# KiCad board badge.kicad_pcb (continued)
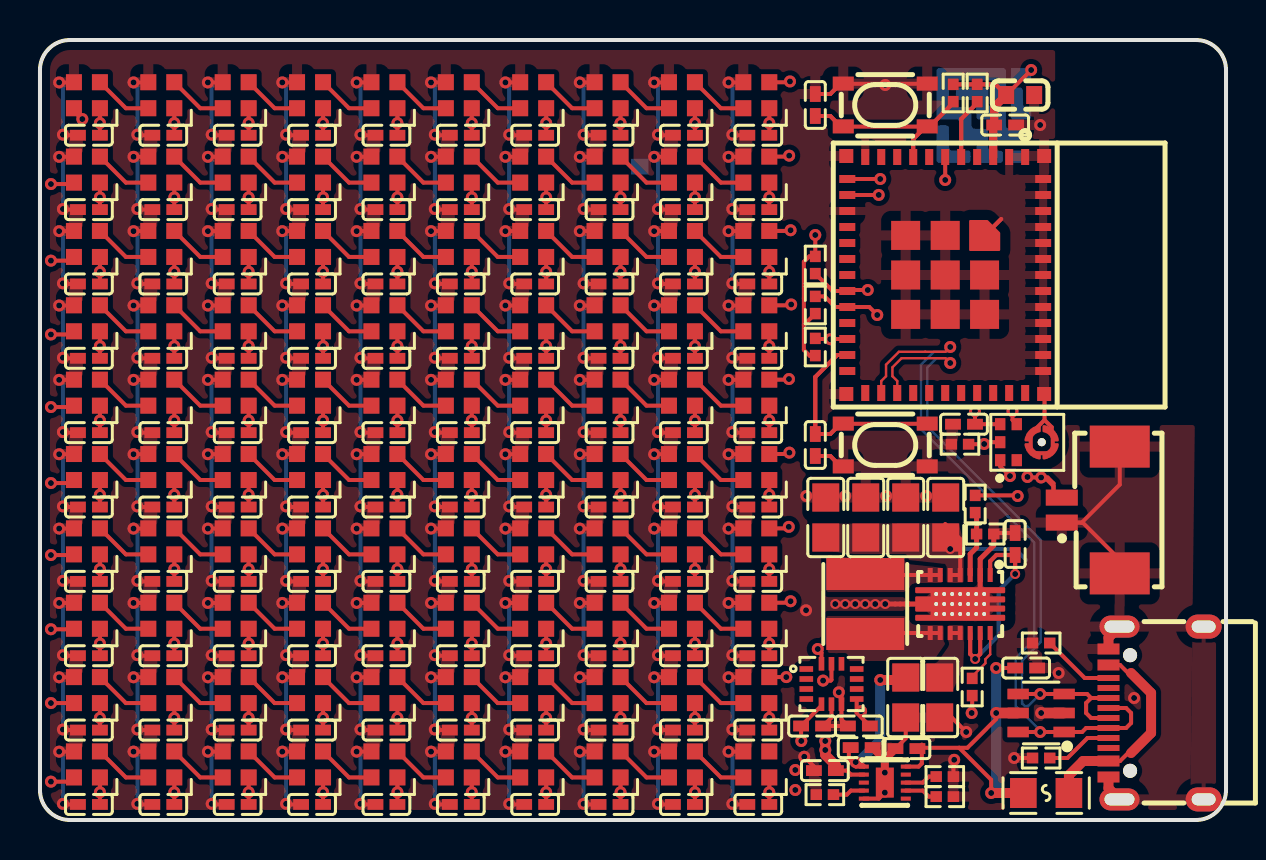
[diagram p0: board, top side]
## Library data of the parts (continued)
C8 = -: Datasheet: https://www.lcsc.com/datasheet/lcsc_datasheet_2304140030_Samsung-Electro-Mechanics-CL05B104KO5NNNC_C1525.pdf; checksum: dee2f3e8b3b5dcf7b72bbcb4e8c6e40185d754e15ce4224dccbc55d9ddeb3abe; __atopile_lib_fp_hash__: abd85f6b-95fa-ed5a-88fe-be39d3a76574; LCSC: C1525; Manufacturer: Samsung Electro-Mechanics; Partnumber: CL05B104KO5NNNC; PARAM_capacitance: {"type": "Quantity_Interval_Disjoint", "data": {"intervals": {"type": "Numeric_Interval_Disjoint", "data": {"intervals": [{"type": "Numeric_Interval", "data": {"min": 9e-08, "max": 1.1e-07}}]}}, "unit": "farad"}}; PARAM_max_voltage: {"type": "Quantity_Set_Discrete", "data": {"intervals": {"type": "Numeric_Interval_Disjoint", "data": {"intervals": [{"type": "Numeric_Interval", "data": {"min": 16.0, "max": 16.0}}]}}, "unit": "volt"}}; PARAM_temperature_coefficient: {"type": "EnumSet", "data": {"elements": [{"name": "X7R"}], "enum": {"name": "TemperatureCoefficient", "values": {"Y5V": 1, "Z5U": 2, "X7S": 3, "X5R": 4, "X6R": 5, "X7R": 6, "X8R": 7, "C0G": 8}}}}; atopile_address: led_grid.rows[0].leds[3].cap; atopile_subaddresses: [.ato/modules/atopile/addressable-leds/layouts/default/default.kicad_pcb:cap, layouts/grid100x100/grid100x100.kicad_pcb:rows[0].leds[3].cap, layouts/strip10/strip10.kicad_pcb:leds[3].cap]
C9 = -: Datasheet: https://www.lcsc.com/datasheet/lcsc_datasheet_2304140030_Samsung-Electro-Mechanics-CL05B104KO5NNNC_C1525.pdf; checksum: dee2f3e8b3b5dcf7b72bbcb4e8c6e40185d754e15ce4224dccbc55d9ddeb3abe; __atopile_lib_fp_hash__: abd85f6b-95fa-ed5a-88fe-be39d3a76574; LCSC: C1525; Manufacturer: Samsung Electro-Mechanics; Partnumber: CL05B104KO5NNNC; PARAM_capacitance: {"type": "Quantity_Interval_Disjoint", "data": {"intervals": {"type": "Numeric_Interval_Disjoint", "data": {"intervals": [{"type": "Numeric_Interval", "data": {"min": 9e-08, "max": 1.1e-07}}]}}, "unit": "farad"}}; PARAM_max_voltage: {"type": "Quantity_Set_Discrete", "data": {"intervals": {"type": "Numeric_Interval_Disjoint", "data": {"intervals": [{"type": "Numeric_Interval", "data": {"min": 16.0, "max": 16.0}}]}}, "unit": "volt"}}; PARAM_temperature_coefficient: {"type": "EnumSet", "data": {"elements": [{"name": "X7R"}], "enum": {"name": "TemperatureCoefficient", "values": {"Y5V": 1, "Z5U": 2, "X7S": 3, "X5R": 4, "X6R": 5, "X7R": 6, "X8R": 7, "C0G": 8}}}}; atopile_address: led_grid.rows[0].leds[4].cap; atopile_subaddresses: [.ato/modules/atopile/addressable-leds/layouts/default/default.kicad_pcb:cap, layouts/grid100x100/grid100x100.kicad_pcb:rows[0].leds[4].cap, layouts/strip10/strip10.kicad_pcb:leds[4].cap]
C10 = -: Datasheet: https://www.lcsc.com/datasheet/lcsc_datasheet_2304140030_Samsung-Electro-Mechanics-CL05B104KO5NNNC_C1525.pdf; checksum: dee2f3e8b3b5dcf7b72bbcb4e8c6e40185d754e15ce4224dccbc55d9ddeb3abe; __atopile_lib_fp_hash__: abd85f6b-95fa-ed5a-88fe-be39d3a76574; LCSC: C1525; Manufacturer: Samsung Electro-Mechanics; Partnumber: CL05B104KO5NNNC; PARAM_capacitance: {"type": "Quantity_Interval_Disjoint", "data": {"intervals": {"type": "Numeric_Interval_Disjoint", "data": {"intervals": [{"type": "Numeric_Interval", "data": {"min": 9e-08, "max": 1.1e-07}}]}}, "unit": "farad"}}; PARAM_max_voltage: {"type": "Quantity_Set_Discrete", "data": {"intervals": {"type": "Numeric_Interval_Disjoint", "data": {"intervals": [{"type": "Numeric_Interval", "data": {"min": 16.0, "max": 16.0}}]}}, "unit": "volt"}}; PARAM_temperature_coefficient: {"type": "EnumSet", "data": {"elements": [{"name": "X7R"}], "enum": {"name": "TemperatureCoefficient", "values": {"Y5V": 1, "Z5U": 2, "X7S": 3, "X5R": 4, "X6R": 5, "X7R": 6, "X8R": 7, "C0G": 8}}}}; atopile_address: led_grid.rows[0].leds[5].cap; atopile_subaddresses: [.ato/modules/atopile/addressable-leds/layouts/default/default.kicad_pcb:cap, layouts/grid100x100/grid100x100.kicad_pcb:rows[0].leds[5].cap, layouts/strip10/strip10.kicad_pcb:leds[5].cap]
C11 = -: Datasheet: https://www.lcsc.com/datasheet/lcsc_datasheet_2304140030_Samsung-Electro-Mechanics-CL05B104KO5NNNC_C1525.pdf; checksum: dee2f3e8b3b5dcf7b72bbcb4e8c6e40185d754e15ce4224dccbc55d9ddeb3abe; __atopile_lib_fp_hash__: abd85f6b-95fa-ed5a-88fe-be39d3a76574; LCSC: C1525; Manufacturer: Samsung Electro-Mechanics; Partnumber: CL05B104KO5NNNC; PARAM_capacitance: {"type": "Quantity_Interval_Disjoint", "data": {"intervals": {"type": "Numeric_Interval_Disjoint", "data": {"intervals": [{"type": "Numeric_Interval", "data": {"min": 9e-08, "max": 1.1e-07}}]}}, "unit": "farad"}}; PARAM_max_voltage: {"type": "Quantity_Set_Discrete", "data": {"intervals": {"type": "Numeric_Interval_Disjoint", "data": {"intervals": [{"type": "Numeric_Interval", "data": {"min": 16.0, "max": 16.0}}]}}, "unit": "volt"}}; PARAM_temperature_coefficient: {"type": "EnumSet", "data": {"elements": [{"name": "X7R"}], "enum": {"name": "TemperatureCoefficient", "values": {"Y5V": 1, "Z5U": 2, "X7S": 3, "X5R": 4, "X6R": 5, "X7R": 6, "X8R": 7, "C0G": 8}}}}; atopile_address: led_grid.rows[0].leds[6].cap; atopile_subaddresses: [.ato/modules/atopile/addressable-leds/layouts/default/default.kicad_pcb:cap, layouts/grid100x100/grid100x100.kicad_pcb:rows[0].leds[6].cap, layouts/strip10/strip10.kicad_pcb:leds[6].cap]
C12 = -: Datasheet: https://www.lcsc.com/datasheet/lcsc_datasheet_2304140030_Samsung-Electro-Mechanics-CL05B104KO5NNNC_C1525.pdf; checksum: dee2f3e8b3b5dcf7b72bbcb4e8c6e40185d754e15ce4224dccbc55d9ddeb3abe; __atopile_lib_fp_hash__: abd85f6b-95fa-ed5a-88fe-be39d3a76574; LCSC: C1525; Manufacturer: Samsung Electro-Mechanics; Partnumber: CL05B104KO5NNNC; PARAM_capacitance: {"type": "Quantity_Interval_Disjoint", "data": {"intervals": {"type": "Numeric_Interval_Disjoint", "data": {"intervals": [{"type": "Numeric_Interval", "data": {"min": 9e-08, "max": 1.1e-07}}]}}, "unit": "farad"}}; PARAM_max_voltage: {"type": "Quantity_Set_Discrete", "data": {"intervals": {"type": "Numeric_Interval_Disjoint", "data": {"intervals": [{"type": "Numeric_Interval", "data": {"min": 16.0, "max": 16.0}}]}}, "unit": "volt"}}; PARAM_temperature_coefficient: {"type": "EnumSet", "data": {"elements": [{"name": "X7R"}], "enum": {"name": "TemperatureCoefficient", "values": {"Y5V": 1, "Z5U": 2, "X7S": 3, "X5R": 4, "X6R": 5, "X7R": 6, "X8R": 7, "C0G": 8}}}}; atopile_address: led_grid.rows[0].leds[7].cap; atopile_subaddresses: [.ato/modules/atopile/addressable-leds/layouts/default/default.kicad_pcb:cap, layouts/grid100x100/grid100x100.kicad_pcb:rows[0].leds[7].cap, layouts/strip10/strip10.kicad_pcb:leds[7].cap]
C13 = -: Datasheet: https://www.lcsc.com/datasheet/lcsc_datasheet_2304140030_Samsung-Electro-Mechanics-CL05B104KO5NNNC_C1525.pdf; checksum: dee2f3e8b3b5dcf7b72bbcb4e8c6e40185d754e15ce4224dccbc55d9ddeb3abe; __atopile_lib_fp_hash__: abd85f6b-95fa-ed5a-88fe-be39d3a76574; LCSC: C1525; Manufacturer: Samsung Electro-Mechanics; Partnumber: CL05B104KO5NNNC; PARAM_capacitance: {"type": "Quantity_Interval_Disjoint", "data": {"intervals": {"type": "Numeric_Interval_Disjoint", "data": {"intervals": [{"type": "Numeric_Interval", "data": {"min": 9e-08, "max": 1.1e-07}}]}}, "unit": "farad"}}; PARAM_max_voltage: {"type": "Quantity_Set_Discrete", "data": {"intervals": {"type": "Numeric_Interval_Disjoint", "data": {"intervals": [{"type": "Numeric_Interval", "data": {"min": 16.0, "max": 16.0}}]}}, "unit": "volt"}}; PARAM_temperature_coefficient: {"type": "EnumSet", "data": {"elements": [{"name": "X7R"}], "enum": {"name": "TemperatureCoefficient", "values": {"Y5V": 1, "Z5U": 2, "X7S": 3, "X5R": 4, "X6R": 5, "X7R": 6, "X8R": 7, "C0G": 8}}}}; atopile_address: led_grid.rows[0].leds[8].cap; atopile_subaddresses: [.ato/modules/atopile/addressable-leds/layouts/default/default.kicad_pcb:cap, layouts/grid100x100/grid100x100.kicad_pcb:rows[0].leds[8].cap, layouts/strip10/strip10.kicad_pcb:leds[8].cap]
C14 = -: Datasheet: https://www.lcsc.com/datasheet/lcsc_datasheet_2304140030_Samsung-Electro-Mechanics-CL05B104KO5NNNC_C1525.pdf; checksum: dee2f3e8b3b5dcf7b72bbcb4e8c6e40185d754e15ce4224dccbc55d9ddeb3abe; __atopile_lib_fp_hash__: abd85f6b-95fa-ed5a-88fe-be39d3a76574; LCSC: C1525; Manufacturer: Samsung Electro-Mechanics; Partnumber: CL05B104KO5NNNC; PARAM_capacitance: {"type": "Quantity_Interval_Disjoint", "data": {"intervals": {"type": "Numeric_Interval_Disjoint", "data": {"intervals": [{"type": "Numeric_Interval", "data": {"min": 9e-08, "max": 1.1e-07}}]}}, "unit": "farad"}}; PARAM_max_voltage: {"type": "Quantity_Set_Discrete", "data": {"intervals": {"type": "Numeric_Interval_Disjoint", "data": {"intervals": [{"type": "Numeric_Interval", "data": {"min": 16.0, "max": 16.0}}]}}, "unit": "volt"}}; PARAM_temperature_coefficient: {"type": "EnumSet", "data": {"elements": [{"name": "X7R"}], "enum": {"name": "TemperatureCoefficient", "values": {"Y5V": 1, "Z5U": 2, "X7S": 3, "X5R": 4, "X6R": 5, "X7R": 6, "X8R": 7, "C0G": 8}}}}; atopile_address: led_grid.rows[0].leds[9].cap; atopile_subaddresses: [.ato/modules/atopile/addressable-leds/layouts/default/default.kicad_pcb:cap, layouts/grid100x100/grid100x100.kicad_pcb:rows[0].leds[9].cap, layouts/strip10/strip10.kicad_pcb:leds[9].cap]
C15 = -: Datasheet: https://www.lcsc.com/datasheet/lcsc_datasheet_2304140030_Samsung-Electro-Mechanics-CL05B104KO5NNNC_C1525.pdf; checksum: dee2f3e8b3b5dcf7b72bbcb4e8c6e40185d754e15ce4224dccbc55d9ddeb3abe; __atopile_lib_fp_hash__: abd85f6b-95fa-ed5a-88fe-be39d3a76574; LCSC: C1525; Manufacturer: Samsung Electro-Mechanics; Partnumber: CL05B104KO5NNNC; PARAM_capacitance: {"type": "Quantity_Interval_Disjoint", "data": {"intervals": {"type": "Numeric_Interval_Disjoint", "data": {"intervals": [{"type": "Numeric_Interval", "data": {"min": 9e-08, "max": 1.1e-07}}]}}, "unit": "farad"}}; PARAM_max_voltage: {"type": "Quantity_Set_Discrete", "data": {"intervals": {"type": "Numeric_Interval_Disjoint", "data": {"intervals": [{"type": "Numeric_Interval", "data": {"min": 16.0, "max": 16.0}}]}}, "unit": "volt"}}; PARAM_temperature_coefficient: {"type": "EnumSet", "data": {"elements": [{"name": "X7R"}], "enum": {"name": "TemperatureCoefficient", "values": {"Y5V": 1, "Z5U": 2, "X7S": 3, "X5R": 4, "X6R": 5, "X7R": 6, "X8R": 7, "C0G": 8}}}}; atopile_address: led_grid.rows[1].leds[0].cap; atopile_subaddresses: [.ato/modules/atopile/addressable-leds/layouts/default/default.kicad_pcb:cap, layouts/grid100x100/grid100x100.kicad_pcb:rows[1].leds[0].cap, layouts/strip10/strip10.kicad_pcb:leds[0].cap]
C16 = -: Datasheet: https://www.lcsc.com/datasheet/lcsc_datasheet_2304140030_Samsung-Electro-Mechanics-CL05B104KO5NNNC_C1525.pdf; checksum: dee2f3e8b3b5dcf7b72bbcb4e8c6e40185d754e15ce4224dccbc55d9ddeb3abe; __atopile_lib_fp_hash__: abd85f6b-95fa-ed5a-88fe-be39d3a76574; LCSC: C1525; Manufacturer: Samsung Electro-Mechanics; Partnumber: CL05B104KO5NNNC; PARAM_capacitance: {"type": "Quantity_Interval_Disjoint", "data": {"intervals": {"type": "Numeric_Interval_Disjoint", "data": {"intervals": [{"type": "Numeric_Interval", "data": {"min": 9e-08, "max": 1.1e-07}}]}}, "unit": "farad"}}; PARAM_max_voltage: {"type": "Quantity_Set_Discrete", "data": {"intervals": {"type": "Numeric_Interval_Disjoint", "data": {"intervals": [{"type": "Numeric_Interval", "data": {"min": 16.0, "max": 16.0}}]}}, "unit": "volt"}}; PARAM_temperature_coefficient: {"type": "EnumSet", "data": {"elements": [{"name": "X7R"}], "enum": {"name": "TemperatureCoefficient", "values": {"Y5V": 1, "Z5U": 2, "X7S": 3, "X5R": 4, "X6R": 5, "X7R": 6, "X8R": 7, "C0G": 8}}}}; atopile_address: led_grid.rows[1].leds[1].cap; atopile_subaddresses: [.ato/modules/atopile/addressable-leds/layouts/default/default.kicad_pcb:cap, layouts/grid100x100/grid100x100.kicad_pcb:rows[1].leds[1].cap, layouts/strip10/strip10.kicad_pcb:leds[1].cap]
C17 = -: Datasheet: https://www.lcsc.com/datasheet/lcsc_datasheet_2304140030_Samsung-Electro-Mechanics-CL05B104KO5NNNC_C1525.pdf; checksum: dee2f3e8b3b5dcf7b72bbcb4e8c6e40185d754e15ce4224dccbc55d9ddeb3abe; __atopile_lib_fp_hash__: abd85f6b-95fa-ed5a-88fe-be39d3a76574; LCSC: C1525; Manufacturer: Samsung Electro-Mechanics; Partnumber: CL05B104KO5NNNC; PARAM_capacitance: {"type": "Quantity_Interval_Disjoint", "data": {"intervals": {"type": "Numeric_Interval_Disjoint", "data": {"intervals": [{"type": "Numeric_Interval", "data": {"min": 9e-08, "max": 1.1e-07}}]}}, "unit": "farad"}}; PARAM_max_voltage: {"type": "Quantity_Set_Discrete", "data": {"intervals": {"type": "Numeric_Interval_Disjoint", "data": {"intervals": [{"type": "Numeric_Interval", "data": {"min": 16.0, "max": 16.0}}]}}, "unit": "volt"}}; PARAM_temperature_coefficient: {"type": "EnumSet", "data": {"elements": [{"name": "X7R"}], "enum": {"name": "TemperatureCoefficient", "values": {"Y5V": 1, "Z5U": 2, "X7S": 3, "X5R": 4, "X6R": 5, "X7R": 6, "X8R": 7, "C0G": 8}}}}; atopile_address: led_grid.rows[1].leds[2].cap; atopile_subaddresses: [.ato/modules/atopile/addressable-leds/layouts/default/default.kicad_pcb:cap, layouts/grid100x100/grid100x100.kicad_pcb:rows[1].leds[2].cap, layouts/strip10/strip10.kicad_pcb:leds[2].cap]
C18 = -: Datasheet: https://www.lcsc.com/datasheet/lcsc_datasheet_2304140030_Samsung-Electro-Mechanics-CL05B104KO5NNNC_C1525.pdf; checksum: dee2f3e8b3b5dcf7b72bbcb4e8c6e40185d754e15ce4224dccbc55d9ddeb3abe; __atopile_lib_fp_hash__: abd85f6b-95fa-ed5a-88fe-be39d3a76574; LCSC: C1525; Manufacturer: Samsung Electro-Mechanics; Partnumber: CL05B104KO5NNNC; PARAM_capacitance: {"type": "Quantity_Interval_Disjoint", "data": {"intervals": {"type": "Numeric_Interval_Disjoint", "data": {"intervals": [{"type": "Numeric_Interval", "data": {"min": 9e-08, "max": 1.1e-07}}]}}, "unit": "farad"}}; PARAM_max_voltage: {"type": "Quantity_Set_Discrete", "data": {"intervals": {"type": "Numeric_Interval_Disjoint", "data": {"intervals": [{"type": "Numeric_Interval", "data": {"min": 16.0, "max": 16.0}}]}}, "unit": "volt"}}; PARAM_temperature_coefficient: {"type": "EnumSet", "data": {"elements": [{"name": "X7R"}], "enum": {"name": "TemperatureCoefficient", "values": {"Y5V": 1, "Z5U": 2, "X7S": 3, "X5R": 4, "X6R": 5, "X7R": 6, "X8R": 7, "C0G": 8}}}}; atopile_address: led_grid.rows[1].leds[3].cap; atopile_subaddresses: [.ato/modules/atopile/addressable-leds/layouts/default/default.kicad_pcb:cap, layouts/grid100x100/grid100x100.kicad_pcb:rows[1].leds[3].cap, layouts/strip10/strip10.kicad_pcb:leds[3].cap]
C19 = -: Datasheet: https://www.lcsc.com/datasheet/lcsc_datasheet_2304140030_Samsung-Electro-Mechanics-CL05B104KO5NNNC_C1525.pdf; checksum: dee2f3e8b3b5dcf7b72bbcb4e8c6e40185d754e15ce4224dccbc55d9ddeb3abe; __atopile_lib_fp_hash__: abd85f6b-95fa-ed5a-88fe-be39d3a76574; LCSC: C1525; Manufacturer: Samsung Electro-Mechanics; Partnumber: CL05B104KO5NNNC; PARAM_capacitance: {"type": "Quantity_Interval_Disjoint", "data": {"intervals": {"type": "Numeric_Interval_Disjoint", "data": {"intervals": [{"type": "Numeric_Interval", "data": {"min": 9e-08, "max": 1.1e-07}}]}}, "unit": "farad"}}; PARAM_max_voltage: {"type": "Quantity_Set_Discrete", "data": {"intervals": {"type": "Numeric_Interval_Disjoint", "data": {"intervals": [{"type": "Numeric_Interval", "data": {"min": 16.0, "max": 16.0}}]}}, "unit": "volt"}}; PARAM_temperature_coefficient: {"type": "EnumSet", "data": {"elements": [{"name": "X7R"}], "enum": {"name": "TemperatureCoefficient", "values": {"Y5V": 1, "Z5U": 2, "X7S": 3, "X5R": 4, "X6R": 5, "X7R": 6, "X8R": 7, "C0G": 8}}}}; atopile_address: led_grid.rows[1].leds[4].cap; atopile_subaddresses: [.ato/modules/atopile/addressable-leds/layouts/default/default.kicad_pcb:cap, layouts/grid100x100/grid100x100.kicad_pcb:rows[1].leds[4].cap, layouts/strip10/strip10.kicad_pcb:leds[4].cap]
C20 = -: Datasheet: https://www.lcsc.com/datasheet/lcsc_datasheet_2304140030_Samsung-Electro-Mechanics-CL05B104KO5NNNC_C1525.pdf; checksum: dee2f3e8b3b5dcf7b72bbcb4e8c6e40185d754e15ce4224dccbc55d9ddeb3abe; __atopile_lib_fp_hash__: abd85f6b-95fa-ed5a-88fe-be39d3a76574; LCSC: C1525; Manufacturer: Samsung Electro-Mechanics; Partnumber: CL05B104KO5NNNC; PARAM_capacitance: {"type": "Quantity_Interval_Disjoint", "data": {"intervals": {"type": "Numeric_Interval_Disjoint", "data": {"intervals": [{"type": "Numeric_Interval", "data": {"min": 9e-08, "max": 1.1e-07}}]}}, "unit": "farad"}}; PARAM_max_voltage: {"type": "Quantity_Set_Discrete", "data": {"intervals": {"type": "Numeric_Interval_Disjoint", "data": {"intervals": [{"type": "Numeric_Interval", "data": {"min": 16.0, "max": 16.0}}]}}, "unit": "volt"}}; PARAM_temperature_coefficient: {"type": "EnumSet", "data": {"elements": [{"name": "X7R"}], "enum": {"name": "TemperatureCoefficient", "values": {"Y5V": 1, "Z5U": 2, "X7S": 3, "X5R": 4, "X6R": 5, "X7R": 6, "X8R": 7, "C0G": 8}}}}; atopile_address: led_grid.rows[1].leds[5].cap; atopile_subaddresses: [.ato/modules/atopile/addressable-leds/layouts/default/default.kicad_pcb:cap, layouts/grid100x100/grid100x100.kicad_pcb:rows[1].leds[5].cap, layouts/strip10/strip10.kicad_pcb:leds[5].cap]
C21 = -: Datasheet: https://www.lcsc.com/datasheet/lcsc_datasheet_2304140030_Samsung-Electro-Mechanics-CL05B104KO5NNNC_C1525.pdf; checksum: dee2f3e8b3b5dcf7b72bbcb4e8c6e40185d754e15ce4224dccbc55d9ddeb3abe; __atopile_lib_fp_hash__: abd85f6b-95fa-ed5a-88fe-be39d3a76574; LCSC: C1525; Manufacturer: Samsung Electro-Mechanics; Partnumber: CL05B104KO5NNNC; PARAM_capacitance: {"type": "Quantity_Interval_Disjoint", "data": {"intervals": {"type": "Numeric_Interval_Disjoint", "data": {"intervals": [{"type": "Numeric_Interval", "data": {"min": 9e-08, "max": 1.1e-07}}]}}, "unit": "farad"}}; PARAM_max_voltage: {"type": "Quantity_Set_Discrete", "data": {"intervals": {"type": "Numeric_Interval_Disjoint", "data": {"intervals": [{"type": "Numeric_Interval", "data": {"min": 16.0, "max": 16.0}}]}}, "unit": "volt"}}; PARAM_temperature_coefficient: {"type": "EnumSet", "data": {"elements": [{"name": "X7R"}], "enum": {"name": "TemperatureCoefficient", "values": {"Y5V": 1, "Z5U": 2, "X7S": 3, "X5R": 4, "X6R": 5, "X7R": 6, "X8R": 7, "C0G": 8}}}}; atopile_address: led_grid.rows[1].leds[6].cap; atopile_subaddresses: [.ato/modules/atopile/addressable-leds/layouts/default/default.kicad_pcb:cap, layouts/grid100x100/grid100x100.kicad_pcb:rows[1].leds[6].cap, layouts/strip10/strip10.kicad_pcb:leds[6].cap]
C22 = -: Datasheet: https://www.lcsc.com/datasheet/lcsc_datasheet_2304140030_Samsung-Electro-Mechanics-CL05B104KO5NNNC_C1525.pdf; checksum: dee2f3e8b3b5dcf7b72bbcb4e8c6e40185d754e15ce4224dccbc55d9ddeb3abe; __atopile_lib_fp_hash__: abd85f6b-95fa-ed5a-88fe-be39d3a76574; LCSC: C1525; Manufacturer: Samsung Electro-Mechanics; Partnumber: CL05B104KO5NNNC; PARAM_capacitance: {"type": "Quantity_Interval_Disjoint", "data": {"intervals": {"type": "Numeric_Interval_Disjoint", "data": {"intervals": [{"type": "Numeric_Interval", "data": {"min": 9e-08, "max": 1.1e-07}}]}}, "unit": "farad"}}; PARAM_max_voltage: {"type": "Quantity_Set_Discrete", "data": {"intervals": {"type": "Numeric_Interval_Disjoint", "data": {"intervals": [{"type": "Numeric_Interval", "data": {"min": 16.0, "max": 16.0}}]}}, "unit": "volt"}}; PARAM_temperature_coefficient: {"type": "EnumSet", "data": {"elements": [{"name": "X7R"}], "enum": {"name": "TemperatureCoefficient", "values": {"Y5V": 1, "Z5U": 2, "X7S": 3, "X5R": 4, "X6R": 5, "X7R": 6, "X8R": 7, "C0G": 8}}}}; atopile_address: led_grid.rows[1].leds[7].cap; atopile_subaddresses: [.ato/modules/atopile/addressable-leds/layouts/default/default.kicad_pcb:cap, layouts/grid100x100/grid100x100.kicad_pcb:rows[1].leds[7].cap, layouts/strip10/strip10.kicad_pcb:leds[7].cap]
C23 = -: Datasheet: https://www.lcsc.com/datasheet/lcsc_datasheet_2304140030_Samsung-Electro-Mechanics-CL05B104KO5NNNC_C1525.pdf; checksum: dee2f3e8b3b5dcf7b72bbcb4e8c6e40185d754e15ce4224dccbc55d9ddeb3abe; __atopile_lib_fp_hash__: abd85f6b-95fa-ed5a-88fe-be39d3a76574; LCSC: C1525; Manufacturer: Samsung Electro-Mechanics; Partnumber: CL05B104KO5NNNC; PARAM_capacitance: {"type": "Quantity_Interval_Disjoint", "data": {"intervals": {"type": "Numeric_Interval_Disjoint", "data": {"intervals": [{"type": "Numeric_Interval", "data": {"min": 9e-08, "max": 1.1e-07}}]}}, "unit": "farad"}}; PARAM_max_voltage: {"type": "Quantity_Set_Discrete", "data": {"intervals": {"type": "Numeric_Interval_Disjoint", "data": {"intervals": [{"type": "Numeric_Interval", "data": {"min": 16.0, "max": 16.0}}]}}, "unit": "volt"}}; PARAM_temperature_coefficient: {"type": "EnumSet", "data": {"elements": [{"name": "X7R"}], "enum": {"name": "TemperatureCoefficient", "values": {"Y5V": 1, "Z5U": 2, "X7S": 3, "X5R": 4, "X6R": 5, "X7R": 6, "X8R": 7, "C0G": 8}}}}; atopile_address: led_grid.rows[1].leds[8].cap; atopile_subaddresses: [.ato/modules/atopile/addressable-leds/layouts/default/default.kicad_pcb:cap, layouts/grid100x100/grid100x100.kicad_pcb:rows[1].leds[8].cap, layouts/strip10/strip10.kicad_pcb:leds[8].cap]
C24 = -: Datasheet: https://www.lcsc.com/datasheet/lcsc_datasheet_2304140030_Samsung-Electro-Mechanics-CL05B104KO5NNNC_C1525.pdf; checksum: dee2f3e8b3b5dcf7b72bbcb4e8c6e40185d754e15ce4224dccbc55d9ddeb3abe; __atopile_lib_fp_hash__: abd85f6b-95fa-ed5a-88fe-be39d3a76574; LCSC: C1525; Manufacturer: Samsung Electro-Mechanics; Partnumber: CL05B104KO5NNNC; PARAM_capacitance: {"type": "Quantity_Interval_Disjoint", "data": {"intervals": {"type": "Numeric_Interval_Disjoint", "data": {"intervals": [{"type": "Numeric_Interval", "data": {"min": 9e-08, "max": 1.1e-07}}]}}, "unit": "farad"}}; PARAM_max_voltage: {"type": "Quantity_Set_Discrete", "data": {"intervals": {"type": "Numeric_Interval_Disjoint", "data": {"intervals": [{"type": "Numeric_Interval", "data": {"min": 16.0, "max": 16.0}}]}}, "unit": "volt"}}; PARAM_temperature_coefficient: {"type": "EnumSet", "data": {"elements": [{"name": "X7R"}], "enum": {"name": "TemperatureCoefficient", "values": {"Y5V": 1, "Z5U": 2, "X7S": 3, "X5R": 4, "X6R": 5, "X7R": 6, "X8R": 7, "C0G": 8}}}}; atopile_address: led_grid.rows[1].leds[9].cap; atopile_subaddresses: [.ato/modules/atopile/addressable-leds/layouts/default/default.kicad_pcb:cap, layouts/grid100x100/grid100x100.kicad_pcb:rows[1].leds[9].cap, layouts/strip10/strip10.kicad_pcb:leds[9].cap]
C25 = -: Datasheet: https://www.lcsc.com/datasheet/lcsc_datasheet_2304140030_Samsung-Electro-Mechanics-CL05B104KO5NNNC_C1525.pdf; checksum: dee2f3e8b3b5dcf7b72bbcb4e8c6e40185d754e15ce4224dccbc55d9ddeb3abe; __atopile_lib_fp_hash__: abd85f6b-95fa-ed5a-88fe-be39d3a76574; LCSC: C1525; Manufacturer: Samsung Electro-Mechanics; Partnumber: CL05B104KO5NNNC; PARAM_capacitance: {"type": "Quantity_Interval_Disjoint", "data": {"intervals": {"type": "Numeric_Interval_Disjoint", "data": {"intervals": [{"type": "Numeric_Interval", "data": {"min": 9e-08, "max": 1.1e-07}}]}}, "unit": "farad"}}; PARAM_max_voltage: {"type": "Quantity_Set_Discrete", "data": {"intervals": {"type": "Numeric_Interval_Disjoint", "data": {"intervals": [{"type": "Numeric_Interval", "data": {"min": 16.0, "max": 16.0}}]}}, "unit": "volt"}}; PARAM_temperature_coefficient: {"type": "EnumSet", "data": {"elements": [{"name": "X7R"}], "enum": {"name": "TemperatureCoefficient", "values": {"Y5V": 1, "Z5U": 2, "X7S": 3, "X5R": 4, "X6R": 5, "X7R": 6, "X8R": 7, "C0G": 8}}}}; atopile_address: led_grid.rows[2].leds[0].cap; atopile_subaddresses: [.ato/modules/atopile/addressable-leds/layouts/default/default.kicad_pcb:cap, layouts/grid100x100/grid100x100.kicad_pcb:rows[2].leds[0].cap, layouts/strip10/strip10.kicad_pcb:leds[0].cap]
C26 = -: Datasheet: https://www.lcsc.com/datasheet/lcsc_datasheet_2304140030_Samsung-Electro-Mechanics-CL05B104KO5NNNC_C1525.pdf; checksum: dee2f3e8b3b5dcf7b72bbcb4e8c6e40185d754e15ce4224dccbc55d9ddeb3abe; __atopile_lib_fp_hash__: abd85f6b-95fa-ed5a-88fe-be39d3a76574; LCSC: C1525; Manufacturer: Samsung Electro-Mechanics; Partnumber: CL05B104KO5NNNC; PARAM_capacitance: {"type": "Quantity_Interval_Disjoint", "data": {"intervals": {"type": "Numeric_Interval_Disjoint", "data": {"intervals": [{"type": "Numeric_Interval", "data": {"min": 9e-08, "max": 1.1e-07}}]}}, "unit": "farad"}}; PARAM_max_voltage: {"type": "Quantity_Set_Discrete", "data": {"intervals": {"type": "Numeric_Interval_Disjoint", "data": {"intervals": [{"type": "Numeric_Interval", "data": {"min": 16.0, "max": 16.0}}]}}, "unit": "volt"}}; PARAM_temperature_coefficient: {"type": "EnumSet", "data": {"elements": [{"name": "X7R"}], "enum": {"name": "TemperatureCoefficient", "values": {"Y5V": 1, "Z5U": 2, "X7S": 3, "X5R": 4, "X6R": 5, "X7R": 6, "X8R": 7, "C0G": 8}}}}; atopile_address: led_grid.rows[2].leds[1].cap; atopile_subaddresses: [.ato/modules/atopile/addressable-leds/layouts/default/default.kicad_pcb:cap, layouts/grid100x100/grid100x100.kicad_pcb:rows[2].leds[1].cap, layouts/strip10/strip10.kicad_pcb:leds[1].cap]
C27 = -: Datasheet: https://www.lcsc.com/datasheet/lcsc_datasheet_2304140030_Samsung-Electro-Mechanics-CL05B104KO5NNNC_C1525.pdf; checksum: dee2f3e8b3b5dcf7b72bbcb4e8c6e40185d754e15ce4224dccbc55d9ddeb3abe; __atopile_lib_fp_hash__: abd85f6b-95fa-ed5a-88fe-be39d3a76574; LCSC: C1525; Manufacturer: Samsung Electro-Mechanics; Partnumber: CL05B104KO5NNNC; PARAM_capacitance: {"type": "Quantity_Interval_Disjoint", "data": {"intervals": {"type": "Numeric_Interval_Disjoint", "data": {"intervals": [{"type": "Numeric_Interval", "data": {"min": 9e-08, "max": 1.1e-07}}]}}, "unit": "farad"}}; PARAM_max_voltage: {"type": "Quantity_Set_Discrete", "data": {"intervals": {"type": "Numeric_Interval_Disjoint", "data": {"intervals": [{"type": "Numeric_Interval", "data": {"min": 16.0, "max": 16.0}}]}}, "unit": "volt"}}; PARAM_temperature_coefficient: {"type": "EnumSet", "data": {"elements": [{"name": "X7R"}], "enum": {"name": "TemperatureCoefficient", "values": {"Y5V": 1, "Z5U": 2, "X7S": 3, "X5R": 4, "X6R": 5, "X7R": 6, "X8R": 7, "C0G": 8}}}}; atopile_address: led_grid.rows[2].leds[2].cap; atopile_subaddresses: [.ato/modules/atopile/addressable-leds/layouts/default/default.kicad_pcb:cap, layouts/grid100x100/grid100x100.kicad_pcb:rows[2].leds[2].cap, layouts/strip10/strip10.kicad_pcb:leds[2].cap]
